# Altium PCB FIR_Wire.PcbDoc
Units mil, origin at the board's own origin, x right, y up, seen from the top; angles counter-clockwise.
Board outline 1952.76 x 2519.69 mil, 2 copper layers (Top Layer, Bottom Layer); 80 components, 60 nets, 234 pads, 47 vias.
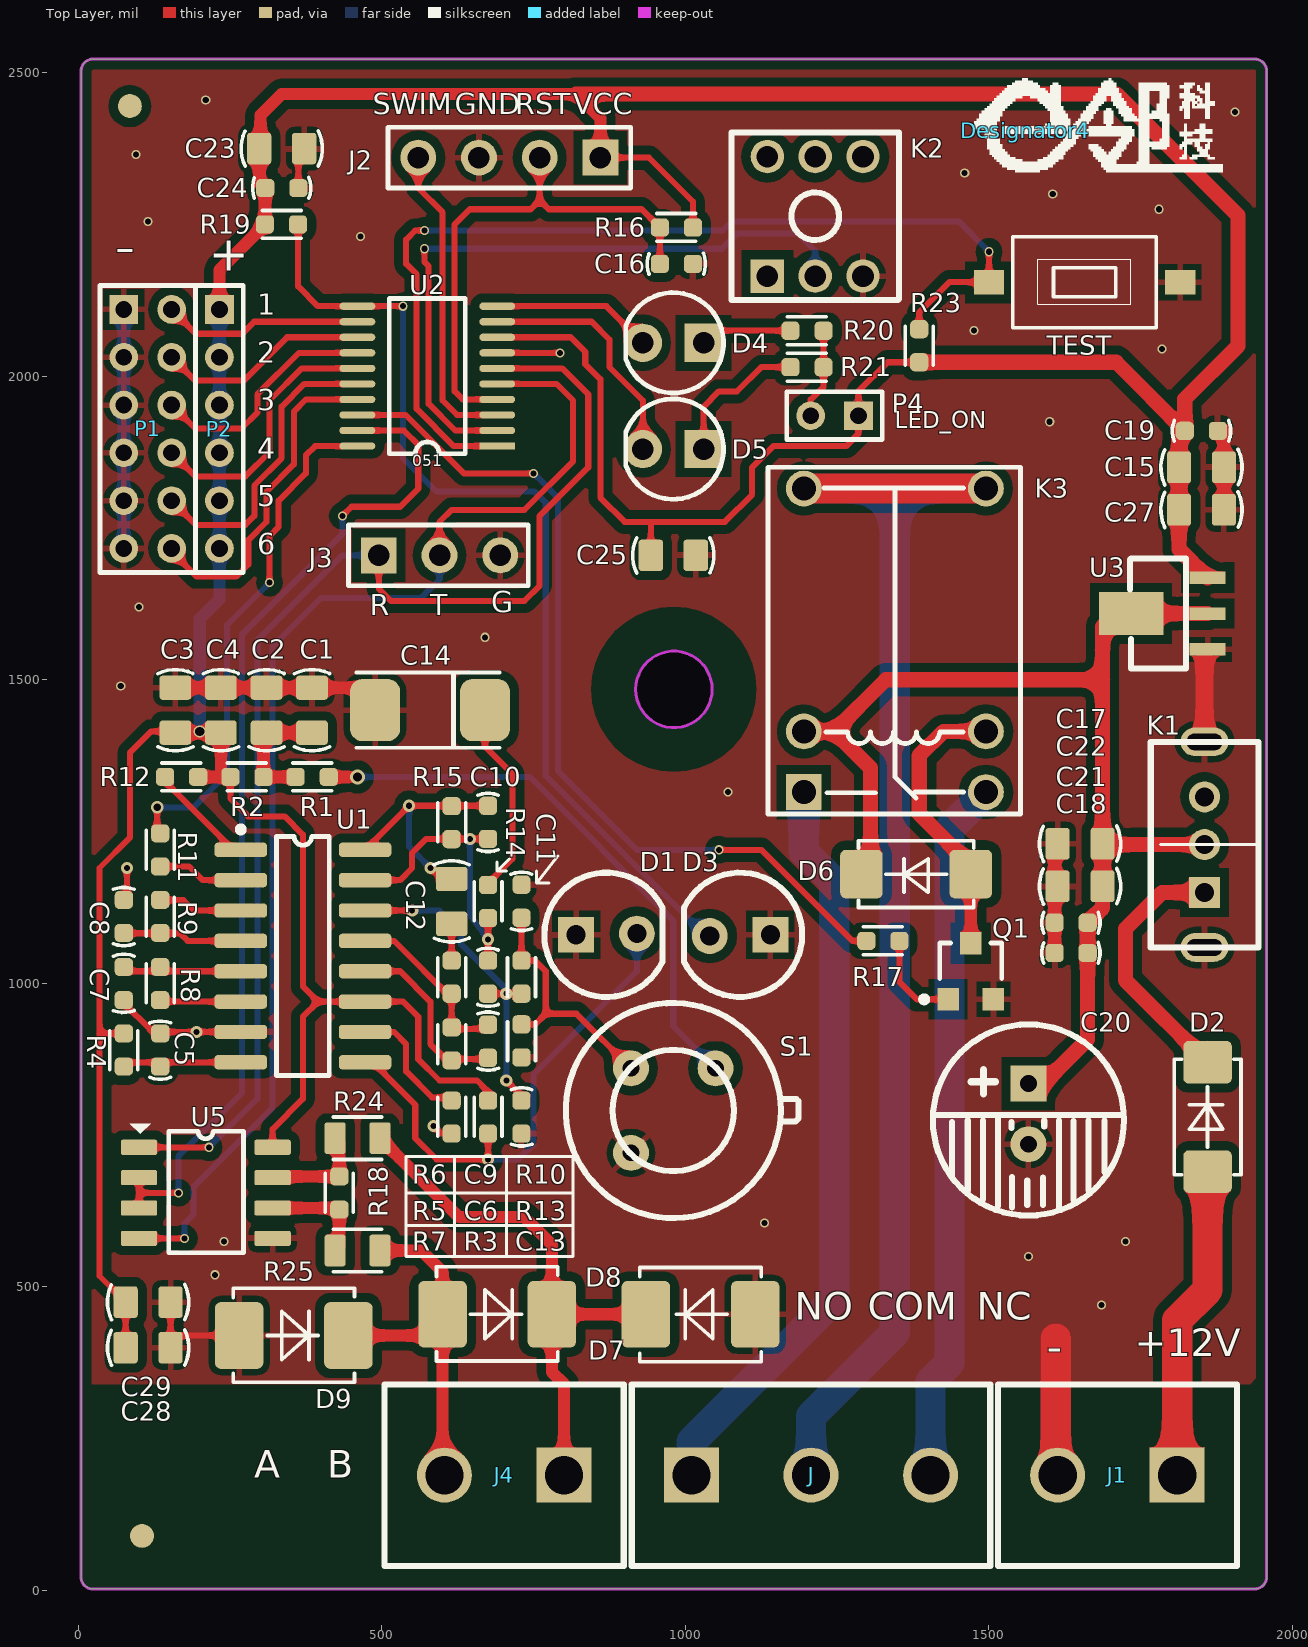
[diagram p0: Top Layer view]
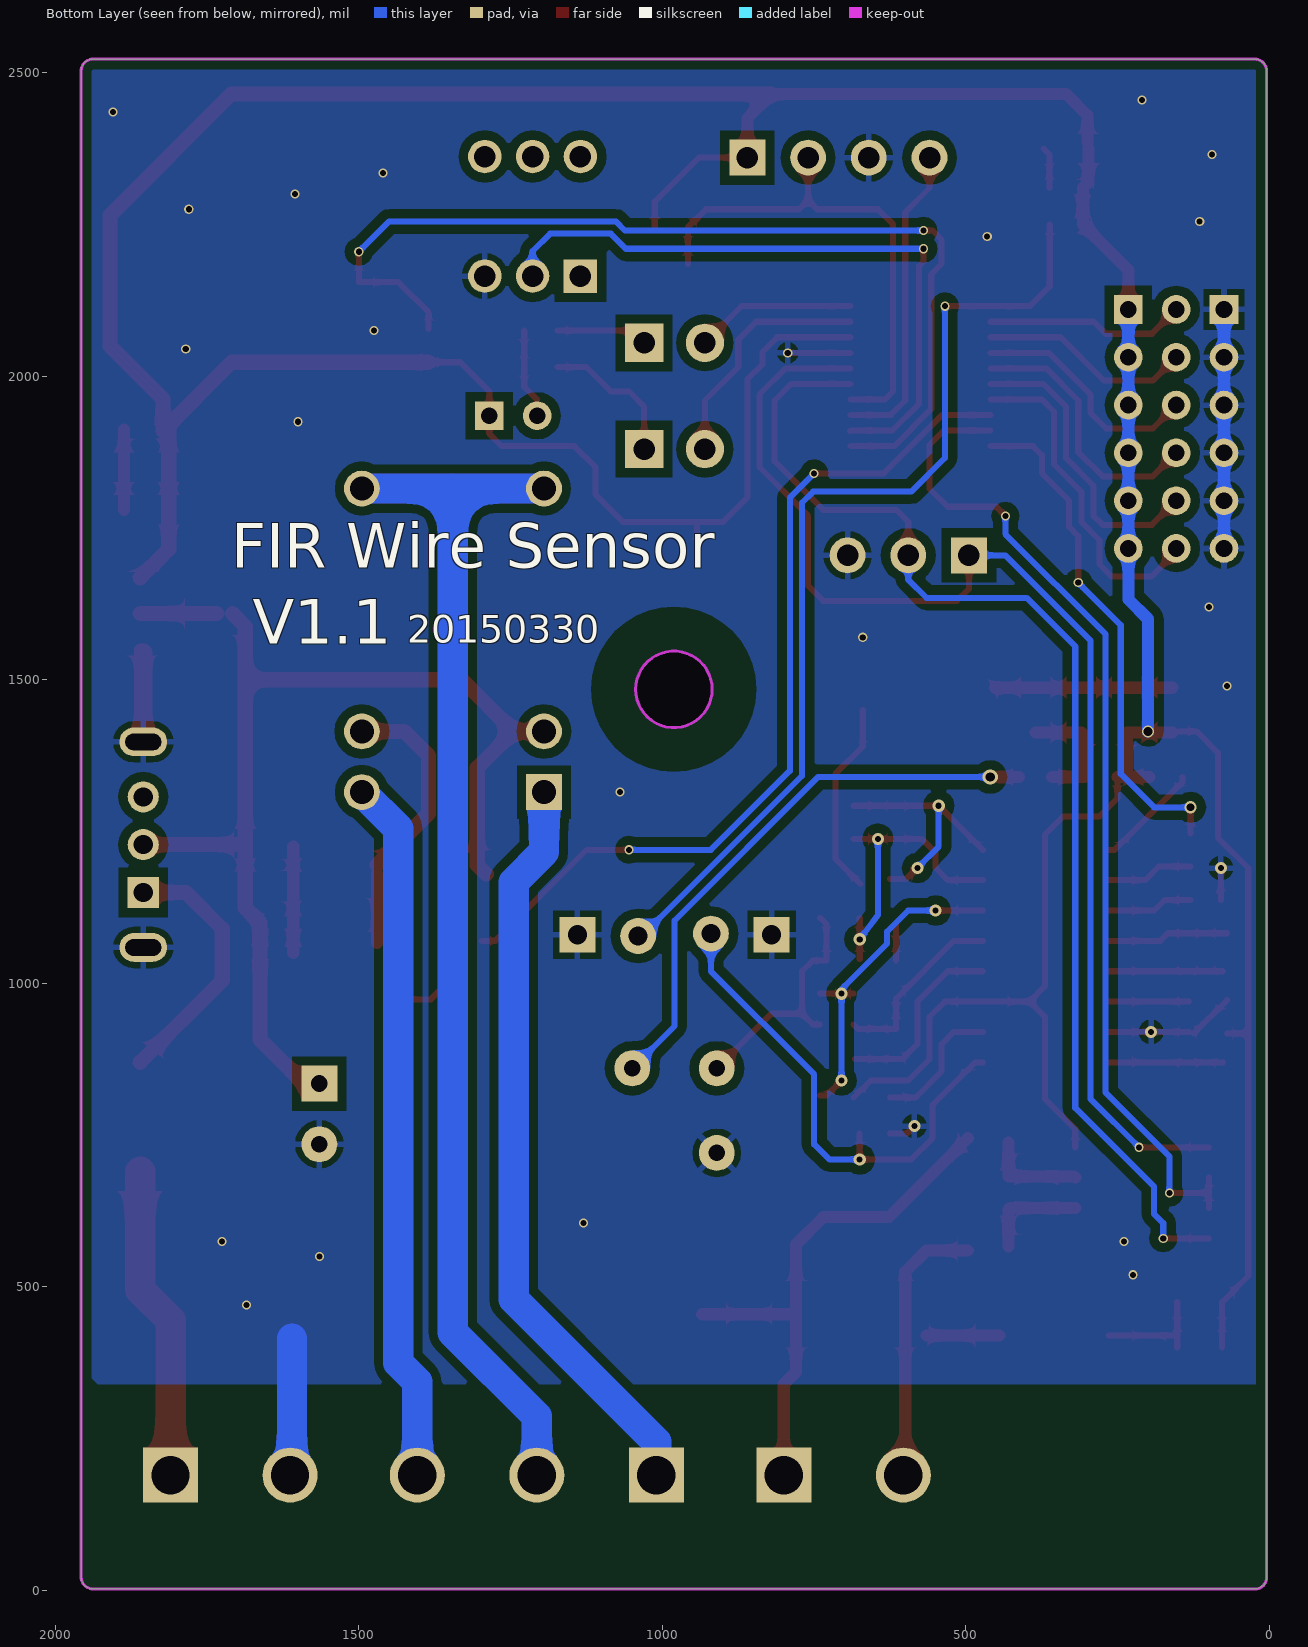
[diagram p1: Bottom Layer view, seen from below]

## Layer stack, top to bottom
Top Solder: solder mask 0.4, Solder Resist, Dk 3.5
Top Layer: signal copper 1.4
Dielectric 1: dielectric 12.6, FR-4, Dk 4.8
Bottom Layer: signal copper 1.4
Bottom Solder: solder mask 0.4, Solder Resist, Dk 3.5

## Board outline
4.65,22.32 4.65,2502.64 cw(c24.33,2502.64) 24.33,2522.33 1937.72,2522.33 cw(c1937.72,2502.64) 1957.4,2502.64 1957.4,22.32 cw(c1937.72,22.32) 1937.72,2.64 24.33,2.64 cw(c24.33,22.32)

## Design rules (kind name [scope] priority, off if disabled: settings)
Clearance [All] p1: gap=15
MinimumSolderMaskSliver [All] p1: minsoldermaskwidth=0
PlaneClearance [All] p1: clearance=10
PolygonConnect [All] p1: connectstyle=Relief reliefconductorwidth=10 reliefentries=4 polygonreliefangle="90 Angle" airgapwidth=10
RoutingVias [All] p1: holewidth=10 width=20 viastyle="Through Hole" minholewidth=8 minwidth=10 maxholewidth=30 maxwidth=50
SilkToSilkClearance [All] p1: silktosilkclearance=0
SilkToSolderMaskClearance [IsPad] p1: minsilkscreentomaskgap=0 clearancetoexposedcopper=TRUE
SolderMaskExpansion [All] p1: expansion=4
Width [All] p1: maxlimit=50 minlimit=10 preferedwidth=20
26 further rules are at their usual default settings.

## Classes and differential pairs
component class Sheet1: C1 C2 C3 C4 C5 C6 C7 C8 C9 C10 C11 C12 C13 C14 C15 C16 C17 C18 C19 C20 C21 C22 C23 C24 D1 D2 D3 D4 D5 J1 J2 J3 K1 K2 P1 P2 P4 R1 R2 R3 R4 R5 R6 R7 R8 R9 R10 R11 R12 R13 R14 R15 R16 R19 R20 R21 S1 TEST U1 U2 U3

## Components (designator, comment, footprint, x,y, rotation, side; value= is the part's Value field where it differs from the comment)
C1 "10uF" 0805-CAP 385,1450 r270 top
C2 "10uF" 0805-CAP 310,1450 r270 top
C3 "10uF" 0805-CAP 160,1450 r270 top
C4 "10uF" 0805-CAP 235,1450 r270 top
C5 "100nF" 0603-CAP 135,890 r90 top
C6 "100nF" 0603-CAP 675,905 r270 top
C7 "100nF" 0603-CAP 75,1000 r270 top
C8 "100nF" 0603-CAP 75,1110 r90 top
C9 "470P" 0603-CAP 675,1010 r90 top
C10 "10nF" 0603-CAP 675,1265 r90 top
C11 "100nF" 0603-CAP 730,1135 r90 top
C12 "10uF" 0805-CAP 615,1135 r90 top
C13 "100nF" 0603-CAP 730,780 r270 top
C14 "47uF" C6032 670,1450 r180 top
C15 "10uF" 0805-CAP 1850,1850 r180 top
C16 "100nF" 0603-CAP 985,2185 r0 top
C17 "10uF" 0805-CAP 1650,1230 r0 top
C18 "100nF" 0603-CAP 1635,1050 r0 top
C19 "100nF" 0603-CAP 1850,1910 r180 top
C20 "100uF" CAP2.54 1565,835 r270 top
C21 "100nF" 0603-CAP 1635,1100 r0 top
C22 "10uF" 0805-CAP 1650,1160 r0 top
C23 "10uF" 0805-CAP 335,2375 r180 top
C24 "100nF" 0603-CAP 335,2310 r0 top
C25 "10uF" 0805-CAP 980,1705 r180 top (schematic designator C23)
C27 "10uF" 0805-CAP 1850,1780 r0 top (schematic designator C25)
C28 "10uF" 0805-CAP 115,400 r0 top (schematic designator C25)
C29 "10uF" 0805-CAP 115,475 r0 top (schematic designator C25)
D1 "LED-R" LED_5mm 820,1080 r0 top
D2 "M7" DO-214AC(SMA) 1860,780 r90 top
D3 "LED-R" LED_5mm 1140,1080 r180 top
D4 "LED-R" DIO-LIG 1030,2055 r180 top locked
D5 "LED-G" DIO-LIG 1030,1880 r180 top locked
D6 "1N4007" DO-214AC(SMA) 1380,1180 r180 top
D7 "SMBJ6.0CA" DO-214AA(SMB) 1025,455 r180 top
D8 "SMBJ6.0CA" DO-214AA(SMB) 690,455 r0 top
D9 "SMBJ6.0CA" DO-214AA(SMB) 355,420 r0 top
Designator4 "Comment" elinlogo1 1560,2405 r0 top
J "Comment" WJ301V-3P 1010,190 r0 top
J1 "WJ301V-2P" WJ301V-2P 1810,190 r180 top
J2 "SIP4A-2.54" HDR1X4 860,2360 r180 top
J3 "SIP3A-2.54" HDR1x3 495,1705 r0 top
J4 "WJ301V-2P" WJ301V-2P 800,190 r180 top (schematic designator J1)
K1 "KEY3" SK12D07VG3 1855,1149.72 r90 top locked
K2 "BUTTON" BTN7*7 1135,2165 r90 top
K3 "HK4100F" HK4100F 1195,1315 r90 top
P1 "MHDR2X6" HDR2x6-2.00 75,2110 r0 top
P2 "MHDR1X6" HDR1x6-2.00 232.48,2110 r0 top
P4 "LED_ON" HDR1x2-2.00 1285,1935 r270 top
Q1 "8050" SOT-23 1470,1015 r0 top
R1 "10K" 0603-RES 385,1340 r0 top
R2 "10K" 0603-RES 277.5,1340 r0 top
R3 "20K" 0603-RES 675,780 r270 top
R4 "10K" 0603-RES 75,890 r90 top
R5 "1M" 0603-RES 615,900 r90 top
R6 "10K" 0603-RES 615,1010 r90 top
R7 "1M" 0603-RES 615,780 r270 top
R8 "220K" 0603-RES 135,1000 r270 top
R9 "27K" 0603-RES 135,1110 r90 top
R10 "10K" 0603-RES 730,1010 r90 top
R11 "1K" 0603-RES 135,1220 r270 top
R12 "47K" 0603-RES 170,1340 r0 top
R13 "47K" 0603-RES 730,905 r90 top
R14 "47K" 0603-RES 675,1135 r270 top
R15 "2M" 0603-RES 615,1265 r270 top
R16 "10K" 0603-RES 985,2245 r0 top
R17 "1K" 0603-RES 1325,1070 r0 top (schematic designator R6)
R18 "10K" 0603-RES 430,655 r270 top (schematic designator R16)
R19 "10K" 0603-RES 335,2250 r180 top
R20 "10K" 0603-RES 1200,2075 r0 top
R21 "10K" 0603-RES 1200,2015 r0 top
R23 "27K" 0603-RES 1385,2050 r90 top (schematic designator R18)
R24 "10K" 0805-RES 460,745 r0 top (schematic designator R16)
R25 "10K" 0805-RES 460,560 r0 top (schematic designator R16)
S1 "FIR-RE200B" TO-39 980,790.47 r45 top locked
TEST "KEY_M" KEY-SMD 1815,2155 r0 top (schematic designator TEST1)
U1 "BISS0001" SOP16 370,1045 r270 top
U2 "STM8L051" TSSOP20 690,1885 r180 top locked
U3 "7133" SOT-89 1860,1550 r90 top
U5 "SP3485" SOP-8 210,655 r0 top

## Footprints (in the part's own frame and the unit in brackets; to place one, negate y for a bottom-side part, rotate by r counter-clockwise, add the part's x,y. Pads: shape width x height; smd on the part's side, far side on the other; paste and mask are expansions set on the pad)
0603-CAP [mil]
  rrect50% 30x30 smd: 1(-27,0) 2(27.5,-0.06)
  silkscreen extent -48,-17 48,17
0603-RES [mil]
  rrect50% 30x30 smd: 1(-27,0) 2(27.5,-0.06)
  silkscreen extent -32,-23 32,23
0805-CAP [mil]
  rrect25% 40x52 smd: 1(-37,0) 2(37,0)
  silkscreen extent -67,-29 67,29, body extent -39,-24 39,23, height 47
0805-RES [mil]
  rrect25% 35x52 smd: 1(-37,0) 2(37,0)
  silkscreen extent -40,-35 40,35, body extent -39,-25 40,24, height 18
BTN7*7 [mm] "按键开关"
  rect 1.4x1.4 hole 0.9: 1(0,0)
  round 1.4 hole 0.9: 2(0,-2) 3(0,-4) 4(5,-4) 5(5,-2) 6(5,0)
  silkscreen extent -1,-5.5 6,1.5
C6032 [mm]
  rrect50% 2.1x2.6 smd: 1(0,0) 2(4.6,0)
  silkscreen extent -0.61,-1.57 5.39,1.57
CAP2.54 [mm]
  rect 1.5x1.5 hole 0.7: 1(0,0)
  round 1.5 hole 0.7: 2(2.54,0)
  silkscreen extent -2.48,-4 5.52,4
DIO-LIG [mm]
  rect 1.6x1.6 hole 0.9: 1(0,0)
  round 1.6 hole 0.9: 2(2.54,0)
  silkscreen extent -0.83,-2.1 3.26,2.1
DO-214AA(SMB) [mil]
  rrect25% 80x110 smd: 1(-90,0) 2(90,0)
  silkscreen extent -100,-77 100,78, body extent -110,-77 110,78, height 104
DO-214AC(SMA) [mil]
  rrect25% 70x80 smd: 1(-90,0) 2(90,0)
  silkscreen extent -95,-55 95,55, body extent -108,-55 108,55, height 91
elinlogo1 [mil]
  silkscreen extent -84,-68 325,86
HDR1x2-2.00 [mm]
  rect 1.2x1.2 hole 0.7 mask+0.102: 1(0,0)
  round 1.2 hole 0.7 mask+0.102: 2(0,-2)
  silkscreen extent -1,-3 1,1
HDR1x3 [mm]
  rect 1.5x1.5 hole 0.9: 1(0,0)
  round 1.5 hole 0.9: 2(2.54,0) 3(5.08,0)
  silkscreen extent -1.27,-1.27 6.25,1.27
HDR1X4 [mm]
  rect 1.5x1.5 hole 0.9: 1(0,0)
  round 1.5 hole 0.9: 2(2.54,0) 3(5.08,0) 4(7.62,0)
  silkscreen extent -1.27,-1.27 8.89,1.27
HDR1x6-2.00 [mm]
  rect 1.2x1.2 hole 0.7 mask+0.102: 1(0,0)
  round 1.2 hole 0.7 mask+0.102: 2(0,-2) 3(0,-4) 4(0,-6) 5(0,-8) 6(0,-10)
  silkscreen extent -1,-11 1,1
HDR2x6-2.00 [mm]
  rect 1.2x1.2 hole 0.7 mask+0.102: 1(0,0)
  round 1.2 hole 0.7 mask+0.102: 2(2,0) 3(0,-2) 4(2,-2) 5(0,-4) 6(2,-4) 7(0,-6) 8(2,-6) 9(0,-8) 10(2,-8) 11(0,-10) 12(2,-10)
  silkscreen extent -1,-11 3,1
HK4100F [mm] "继电器"
  rect 1.5x1.5 hole 1: 1(0,0)
  round 1.5 hole 1: 2(0,-7.62) 3(2.54,0) 4(2.54,-7.62) 5(12.7,0) 6(12.7,-7.62)
  silkscreen extent -0.91,-9.06 13.59,1.5
KEY-SMD [mil]
  rect 50x40 smd: 1(-0.13,-0.25) 2(-315.09,-0.25)
  silkscreen extent -276,-75 -39,75
LED_5mm [mm] "直插"
  rect 1.5x1.5 hole 0.8: 1(0,0)
  round 1.5 hole 0.8: 2(2.54,0.051)
  silkscreen extent -1.33,-2.6 3.62,2.6
SK12D07VG3 [mm] "拨动开关90度"
  oval 1.2x2 hole 0.7 slot 1.5 at 90 deg: 0(-2.3,0) 0(6.3,0)
  rect 1.3x1.3 hole 0.8: 1(0,0)
  round 1.3 hole 0.8: 2(2,0) 3(4,0)
  silkscreen extent -2.3,-2.25 6.3,2.25
SOP16 [mm]
  rrect50% 0.6x2.2 smd: 1(-4.445,-2.6) 2(-3.175,-2.6) 3(-1.905,-2.6) 4(-0.635,-2.6) 5(0.635,-2.6) 6(1.905,-2.6) 7(3.175,-2.6) 8(4.445,-2.6) 9(4.445,2.6) 10(3.175,2.6) 11(1.905,2.6) 12(0.635,2.6) 13(-0.635,2.6) 14(-1.905,2.6) 15(-3.175,2.6) 16(-4.445,2.6)
  silkscreen extent -5.42,-2.72 5,1.1
SOP-8 [mil]
  rrect25% 60x25 smd: 1(-110,75) 2(-110,25) 3(-110,-25) 4(-110,-75) 5(110,-75) 6(110,-25) 7(110,25) 8(110,75)
  silkscreen extent -125,-99 62,114, body extent -118,-98 118,99, height 69
SOT-23 [mm]
  rect 0.9x0.95 smd: 1(-0.95,-1.048) 2(0.95,-1.048) 3(0,1.302)
  silkscreen extent -2.07,-1.17 1.3,1.3
SOT-89 [mm]
  rect 0.52x1.5 smd: 1(0,0) 2(1.5,0) 3(3,0)
  rect 1.8x2.7 smd: 4(1.5,3.2)
  silkscreen extent -0.8,0.9 3.8,3.25
TO-39 [mm]
  round 1.5 hole 0.7: 1(2.5,0) 2(0,2.5) 3(-2.5,0)
  silkscreen extent -4.5,-4.5 4.5,4.5
TSSOP20 [mm]
  rect 1.5x0.3 smd: 1(0,0)
  round 0.5 on Top Overlay: 1(0.61,0.635)
  oval 1.5x0.3 smd: 2(0,-0.65) 3(0,-1.3) 4(0,-1.95) 5(0,-2.6) 6(0,-3.25) 7(0,-3.9) 8(0,-4.55) 9(0,-5.2) 10(0,-5.85) 11(5.85,-5.85) 12(5.85,-5.2) 13(5.85,-4.55) 14(5.85,-3.9) 15(5.85,-3.25) 16(5.85,-2.6) 17(5.85,-1.95) 18(5.85,-1.3) 19(5.85,-0.65) 20(5.85,0)
  silkscreen extent 1.33,-6.18 4.52,0.32
WJ301V-2P [mm] "5.00mm"
  rect 2.3x2.3 hole 1.6: 1(0,0)
  round 2.3 hole 1.6: 2(5,0)
  silkscreen extent -2.5,-3.8 7.5,3.8
WJ301V-3P [mm] "5.00mm"
  rect 2.3x2.3 hole 1.6: 1(0,0)
  round 2.3 hole 1.6: 2(5,0) 3(10,0)
  silkscreen extent -2.5,-3.8 12.5,3.8

## Part data
C1 C2 C3 C4 C15 C17 C18 C19 C21 C22 C23 C25 C27 C28 C29: library part C
C5 C6 C7 C8 C9 C10 C11 C12 C13 C14 C16 C20 C24: library part CAP
D1 D3 D4: library part LED-RED, "红色LED"
D2: library part 1N5819(SS14), "肖特基二极管"
D5: library part LED-GRE, "绿色LED"
D6: "二极管"
D7 D8 D9: "TVS"
J J1 J4: "接线端子"
J2: library part SIP4A-2.50(带槽)
J3: library part SIP3A-2.50（带槽）
K1: library part KEY-3, "开关"
K3: "继电器"
P1: "Header, 6-Pin, Dual row"
P2: "Header, 6-Pin"
P4: library part MHDR1X2, "Header, 2-Pin"
Q1: "三极管"
R1 R2 R3 R4 R5 R6 R7 R8 R9 R10 R11 R12 R13 R14 R15 R17: library part RES1
R16 R18 R19 R20 R21 R23 R24 R25: library part Res
S1: "红外探头"
TEST: "轻触按键"
U2: "单片机"
U3: "LDO"
U5: "485总线"

## Free pads (board coordinates)
  round 39.37 smd mask+39.37: 0(85,2445) 0(105,90)
  round 358.27 on Top Overlay: 0(980,790)
  round 0 hole 125.98: 0(981.02,1484.25)

## Via types
v1: diameter 15, hole 10, Top Layer to Bottom Layer, tented both sides, 33 vias
v2: diameter 20, hole 10, Top Layer to Bottom Layer, tented both sides, 11 vias
v3: diameter 20, hole 15, Top Layer to Bottom Layer, tented both sides, 1 vias
v4: diameter 20, hole 13, Top Layer to Bottom Layer, tented both sides, 1 vias
v5: diameter 25, hole 15, Top Layer to Bottom Layer, tented both sides, 1 vias

## Nets (pads, with @x,y where several pads share a name; then routed paths per layer and width w, separated by ;. In a path a pad name is that pad's centre, name@x,y a point inside that pad or via, vN(x,y) a via of type N, cw(c..) or ccw(c..) an arc to the next point about the centre after c; other vN are vias at no path point)
3.3V: C3.2 C4.2 C15.2 C19.2 C23.2 C24.1 C25.2 C27.1 C28.1 C29.1 J2.1 P2.1 P2.2 P2.3 P2.4 P2.5 P2.6 P4.1 R2.1 R3.1 R4.2 R12.2 R16.2 R19.2 R23.1 U1.11 U2.8 U3.3 U5.8 | length 7882.1
  Top Layer w10: 35,917.5 R4.2@70.06,917.5 ; C28.1 C29.1 35,518 35,1190 85,1240 85,1380 120,1415 C3.2@150,1415 ; R2.1 250.5,1304.5 280,1275 340,1275 370,1245 370,995 395,970 ; U5.8 320,760 370,810 370,945 395,970 ; R3.1@685,812 657,840 595,840 560,875 560,945 535,970 U1.11 395,970 ; U2.8 810.86,2064.14 835,2040 835,2020 860,1995 860,1800 900,1760 1065,1760 1110,1805 1110,1850 1145,1885 1265,1885 1285,1905 P4.1 1285,1975 1333,2023 R23.1 ; J2.1 940,2360 1012.5,2287.5 R16.2 ; C25.2 943,1758
  Top Layer w20: C3.2 C4.2 235,1344.94 ; R12.2 R2.1@250.44,1339.94 ; P2.1 232.48,2175.04 R19.2 307.5,2310.5 298,2320 C23.2 ; C23.2@300,2385 300,2430 335,2465 820,2465 860,2425 J2.1
  Top Layer w25: 820,2465 1710,2465 1910,2265 1910,2050 1822.5,1962.5 C19.2 1709.56,2023 R23.1 ; C19.2@1813,1910 C15.2 C27.1 1813,1715.11 U3.3
  Bottom Layer w20: v3(200,1415) 200,1600 232.48,1632.48 P2.6 P2.5 P2.4 P2.3 P2.2 P2.1
AD_IN17: D3.2 R19.1 U2.11 | length 1633.3
  Top Layer w10: R19.1 362,2148 394.68,2115.32 U2.11 v1(534.68,2115.32)
  Bottom Layer w10: v1(534.68,2115.32) 534.68,1865.32 590,1810 751.72,1810 770,1791.72 770,1341.72 1033.72,1078 D3.2
AD_IN18: 
COM: J.2 K3.5 K3.6 | length 2282.2
  Top Layer w50: K3.5 K3.6
  Bottom Layer w50: K3.5 1345,1815 ; J.2 1206.85,286.85 1345,425 1345,1815 ; K3.6 1345,1815
EN: R12.1 U1.1 | length 179
  Top Layer w10: R12.1 143,1332 255,1220 U1.1
GND: C1.1 C2.1 C3.1 C4.1 C5.2 C7.2 C8.2 C11.2 C13.2 C14.2 C15.1 C16.2 C17.1 C18.1 C19.1 C20.2 C21.1 C22.1 C23.1 C24.2 C25.1 C27.2 C28.2 C29.2 D1.1 D3.1 D7.1 D9.1 J1.2 J2.3 J3.3 K1.0 K2.3 P1.1 P1.3 P1.5 P1.7 P1.9 P1.11 Q1.2 R7.2 R13.1 S1.3 TEST.1 U1.7 U2.7 U3.1 U5.5 | length 2262.9
  Top Layer w10: C7.2@69.94,972.5 C5.2@124.94,917.5 ; C8.2@80.06,1137.5 v2(80.06,1189.94) ; C5.2@132.56,920 U1.7 ; C28.2 C29.2 ; C28.2@157,420 D9.1 ; C24.2 362.5,2365.5 C23.1 ; v2(585,765) 597.5,752.5 R7.2@624.94,752.5 ; U2.7 v1(793.54,2038.54)
  Top Layer w20: C3.1 C4.1 C2.1 C1.1 C14.2@451.9,1487 ; C18.1 C21.1 C17.1@1608,1225 ; U3.1@1855,1545 U3.1 ; C27.2 C15.1 C19.1@1887,1912
  Top Layer w30: K1.0@1855,1397.76 U3.1@1855,1545
  Top Layer w50: J1.2@1610,190 1610,415
  Bottom Layer w20: P1.11 P1.9 P1.7 P1.5 P1.3 P1.1
  Bottom Layer w50: J1.2@1610,190 1610,415
  other v1: 1685,470 225,520 1565,550 240,575 1725,575 1130,605 1070,1315 70,1490 670,1570 100,1620 1600,1925 1785,2045 1475,2075 465,2230 115,2255 1780,2275 1605,2300 1460,2335 95,2365 1905,2435 210,2455
  other v2: 195,920
NetANT1_1: 
NetC1_2: C1.2 C2.2 R1.1 R2.2 | length 196
  Top Layer w20: C2.2@305.06,1408.06 305.06,1340 R1.1 ; C2.2 C1.2
NetC5_1: C5.1 R4.1 U1.8 | length 190.6
  Top Layer w10: R4.1@77,870 U1.8
NetC6_1: C6.1 R5.2 R6.1 U1.13 | length 304.9
  Top Layer w10: U1.13 520,1070 615,975 615,925 678,925 C6.1@685,932
NetC6_2: C6.2 R5.1 U1.12 | length 311.3
  Top Layer w10: U1.12 530,1020 580,970 580,900 604.75,875.25 C6.2@682.69,875.25
NetC7_1: C7.1 R8.1 U1.5 | length 190.6
  Top Layer w10: C7.1@77,1020 U1.5
NetC8_1: C8.1 R9.1 U1.4 | length 202.8
  Top Layer w10: C8.1@70,1082.5 167.5,1082.5 180,1070 U1.4
NetC9_1: C9.1 C13.1 R10.1 U1.14 | length 548.6
  Top Layer w10: U1.14 v2(550,1120) ; C9.1@685,983 R10.1@740,983 ; v2(705,840) 730,815 C13.1@740,815
  Bottom Layer w10: v2(550,1120) 595,1120 630,1085 630,1065.5 705,990.5 v2(705,840)
  other v2: 705,983
NetC9_2: C9.2 C10.1 R14.2 R15.2 U1.15 | length 498.4
  Top Layer w10: U1.15 530,1170 550,1190 550,1215 573,1238 C10.1@685,1238 ; C9.2@674.94,1040 R14.2
  Bottom Layer w10: v2(645,1238) 645,1112.5 v2(674.94,1072.56)
NetC10_2: C10.2 C12.2 R15.1 U1.16 | length 412.2
  Top Layer w10: U1.16 v2(544.86,1292.5) C10.2@685.06,1292.5 ; v2(580,1190) 598,1172 C12.2@625,1172
  Bottom Layer w10: v2(544.86,1292.5) 544.86,1225.14 v2(580,1190)
NetC11_1: C11.1 R10.2 R13.2 S1.2 | length 406.7
  Top Layer w10: C11.1@740,1108 730,1098 730,1037.5 752.5,1037.5 770,1020 770,950 ; R13.2@740.06,932.5 752.5,932.5 770,950 ; S1.2 820.47,950 770,950
NetC12_1: C12.1 R6.2 | length 60.4
  Top Layer w10: R6.2@615,1037.56 C12.1
NetC14_1: C14.1 R14.1 | length 322.3
  Top Layer w10: C14.1 670,1390 715,1345 715,1205 R14.1@673.5,1163.5
NetC15_1: 
NetD1_2: D1.2 R3.2 U1.9 | length 846.3
  Top Layer w10: U1.9 485,870 555,800 555,745 590,710 v2(675,710) R3.2@675,752.44
  Bottom Layer w10: v2(675,710) 725,710 750,735 750,850 920,1020 D1.2
NetD2_1: D2.1 J1.1 | length 515.7
  Top Layer w50: J1.1@1810,195 1810,445 1860,495 D2.1
NetD2_2: D2.2 K1.1 | length 430.7
  Top Layer w25: K1.1 1784.72,1149.72 1725,1090 1725,1005 D2.2
NetD4_1: D4.1 R20.1 | length 151.3
  Top Layer w10: D4.1 1050,2075 R20.1
NetD5_1: D5.1 R21.1 | length 239.9
  Top Layer w10: D5.1 1030,1950 1055,1975 1085,1975 1125,2015 R21.1
NetNC: J.3 K3.2 | length 1162.8
  Bottom Layer w50: J.3 1403.7,343.7 1435,375 1435,1255 K3.2
NetNO: J.1 K3.1 | length 1243.1
  Bottom Layer w50: J.1 1010,245 1245,480 1245,1166.57 1195,1216.57 K3.1
NetP4_2: P4.2 R20.2 R21.2 | length 148.7
  Top Layer w10: P4.2 1206.26,1961.26 1227.5,1982.5 R21.2 R20.2
NetQ1_1: Q1.1 R17.2 | length 159.4
  Top Layer w10: R17.2 1352.5,1002.5 1381.26,973.74 Q1.1
NetQ1_2: 
NetQ1_3: D6.1 K3.4 Q1.3 | length 455.5
  Top Layer w20: Q1.3 D6.1
  Top Layer w25: D6.1@1470,1195 1385,1280 1385,1375 1425,1415 K3.4
NetR1_2: R1.2 S1.1 | length 937.6
  Top Layer w20: R1.2@412.56,1340 v5(460,1340)
  Bottom Layer w10: v5(460,1340) 743.43,1340 980,1103.43 980,929.67 S1.1
NetR7_1: R7.1 U1.10 | length 223.7
  Top Layer w10: U1.10 520,920 540,900 540,855 583,812 R7.1@625,812
NetR8_2: R8.2 U1.6 | length 135.2
  Top Layer w10: R8.2@132.44,970 U1.6
NetR9_2: R9.2 U1.3 | length 144.6
  Top Layer w10: R9.2@130.06,1137 173,1137 190,1120 U1.3
NetR11_2: R11.2 U1.2 | length 147
  Top Layer w10: R11.2@129.94,1192.5 182.5,1192.5 205,1170 U1.2
NetR22_1: 
NetU5_6: R18.2 R25.1 U5.6 | length 171.5
  Top Layer w20: U5.6 427.44,630 R18.2 R25.1@429.94,566.94
NetU5_7: R18.1 R24.1 U5.7 | length 166.8
  Top Layer w20: U5.7 322,682 R18.1 R24.1@430,738
NRST: C16.1 J2.2 R16.1 U2.4 | length 853.7
  Top Layer w10: U2.4 633.23,1961.77 620,1975 620,2250 645,2275 745,2275 760,2290 ; J2.2 760,2290 ; C16.1 R16.1 928,2275 775,2275 760,2290
PA0: J2.4 U2.3 | length 516.4
  Top Layer w10: J2.4 560,2310 600,2270 600,1960 623.82,1936.18 U2.3
PA2_USART_TX: J3.2 U2.5 U5.4 | length 2023.4
  Top Layer w10: U5.4 v1(175,580) ; J3.2 595,1760 615,1780 735,1780 815,1860 815,1960 787.64,1987.36 U2.5
  Bottom Layer w10: v1(175,580) 175,605 190,620 190,665 320,795 320,1555 400,1635 565,1635 595,1665 J3.2
PA3_USART_RX: J3.1 U2.6 U5.1 | length 2095.7
  Top Layer w10: U5.1 v1(215,730) ; J3.1 495,1650 515,1630 735,1630 760,1655 760,1770 840,1850 840,1970 797.05,2012.95 U2.6
  Bottom Layer w10: v1(215,730) 295,810 295,1565 435,1705 J3.1
PB0: D4.2 U2.10 | length 265
  Top Layer w10: U2.10 869.68,2115.32 D4.2
PB2: P1.2 U2.12 | length 330.7
  Top Layer w10: P1.2 193.74,2070 270,2070 289.72,2089.72 U2.12
PB3: P1.4 U2.13 | length 351.6
  Top Layer w10: P1.4 192.36,1992.64 272.64,1992.64 344.13,2064.14 U2.13
PB4: P1.6 U2.14 | length 391.1
  Top Layer w10: P1.6 192.36,1913.9 268.9,1913.9 295,1940 295,1970 363.54,2038.54 U2.14
PB5: P1.8 U2.15 | length 445.5
  Top Layer w10: P1.8 192.52,1835 275,1835 315,1875 315,1960 367.95,2012.95 U2.15
PB6: P1.10 U2.16 | length 497.9
  Top Layer w10: P1.10 193.78,1755 275,1755 290,1770 290,1820 335,1865 335,1950 372.36,1987.36 U2.16
PB7: P1.12 U2.17 | length 535
  Top Layer w10: P1.12@162.5,1702.5 195,1670 260,1670 280,1690 280,1730 310,1760 310,1810 355,1855 355,1941.72 375.06,1961.77 U2.17
PC0: R17.1 U2.18 | length 1460.7
  Top Layer w10: U2.18 538.97,1936.18 635.15,1840 v1(750,1840) ; v1(1055,1220) 1125,1220 1275,1070 R17.1
  Bottom Layer w10: v1(750,1840) 790,1800 790,1350 920,1220 v1(1055,1220)
PC1: U2.19 U5.2 U5.3 | length 1667.5
  Top Layer w10: U5.3 100,655 ; U5.2 100,655 ; v1(165,655) 100,655 ; v1(435,1770) 450,1785 530,1785 560,1815 560,1886.86 536.27,1910.59 U2.19
  Bottom Layer w10: v1(165,655) 165,715 270,820 270,1575 435,1740 v1(435,1770)
PC4: R11.1 U2.20 | length 850.5
  Top Layer w10: R11.1@130,1247 v4(130,1290) ; v1(315,1660) 315,1736.72 330,1751.72 330,1795 375,1840 375,1870 390,1885 U2.20
  Bottom Layer w10: v4(130,1290) 190,1290 245,1345 245,1590 v1(315,1660)
PC5: R23.2 TEST.2 U2.1@690,1885 | length 1650.5
  Top Layer w10: v1(570,2240) 555,2240 540,2225 540,2185 557.18,2167.82 557.18,1946.25 618.43,1885 U2.1@690,1885 ; R23.2 1385.06,2105.06 1434.84,2154.84 1500,2154.84 v1(1500,2205)
  Bottom Layer w10: v1(570,2240) 1061.72,2240 1076.72,2255 1450,2255 v1(1500,2205)
PC6: K2.2 U2.2 | length 1097.6
  Top Layer w10: v1(570,2210) 570,2188.28 577.18,2181.1 577.18,1954.53 621.12,1910.59 U2.2 U2.2@690.59,1910
  Bottom Layer w10: v1(570,2210) 1060,2210 1085,2235 1185,2235 1213.74,2206.26 K2.2
PD0: D5.2 U2.9 | length 400.3
  Top Layer w10: U2.9 845.59,2089.72 875,2060.32 875,2015 930,1960 D5.2
RS485_A: D8.1 D9.2 J4.2 R25.2 | length 569.3
  Top Layer w20: D9.2 D8.1@565,420 ; R25.2 565,560 600,525 D8.1 J4.2@600,193.15
RS485_B: D7.2 D8.2 J4.1 R24.2 | length 898.8
  Top Layer w20: R24.2 627,615 735,615 780,570 D8.2 ; J4.1 800,340 780,360 D8.2 ; D7.2 D8.2
RS485_RE: 
VIN: C17.2 C18.2 C20.1 C21.2 C22.2 D6.2 K1.2 K3.3 U3.2 U3.4 | length 1932.8
  Top Layer w25: K3.3 1245,1415 ; D6.2 1305,1195 1305,1355 1245,1415 ; C20.1 1590,835 1662.5,907.5 C18.2 C21.2 1687,1124.44 C22.2 1687,1226.93 1688.54,1228.46 K1.2 ; C17.2 1687,1500 ; U3.4@1708.05,1609.05 1687,1588 1687,1500 ; U3.4 U3.2 ; 1245,1415 1330,1500 1687,1500
pads on no net: K1.3 K2.1 K2.4 K2.5 K2.6 U2.1@666,1860

## Polygon pours and split planes (outlines as drawn)
GND on Top Layer "Top layer" (solid, remove dead copper, pour order 2): 0,2525 1960,2525 1960,370 1930,340 1475,340 10,340 0,350
GND on Bottom Layer "Top layer" (solid, remove dead copper, pour order 2): 0,2525 1960,2525 1960,370 1930,340 1475,340 10,340 0,350

## Keep-outs
Keep-Out Layer:
  circle w5: c981.02,1484.25 r62.99
  lines w5: 24.04,2.26 cw(c24.04,21.66) 4.65,21.66 4.65,2502.64 cw(c24.33,2502.64) 24.33,2522.33 1937.72,2522.33 cw(c1937.72,2502.64) 1957.4,2502.64 1957.4,22.32 cw(c1937.72,22.32) 1937.72,2.64 24.04,2.64

## Silkscreen, mask and mechanical layers (free items; w line width, h text height)
Top Overlay:
  lines w4.92: 540,655 815,655 ; 540.28,601.21 815,601.21 ; 620,550 620,715 ; 690,1200 690,1185 ; 705,550 705,715 ; 705,1185 690,1185 ; 710,1205 690,1185 ; 755,1185 755,1165 ; 775,1165 755,1165 ; 790,1210 755,1165 ; 540,550 540,715 815,715 815,550 540,550
  lines w5: 1782.52,1228.46 1940,1228.46
  text "SWIM" at 485,2420 h59.06
  text "GND" at 620,2420 h59.06
  text "RST" at 720,2420 h59.06
  text "VCC" at 815,2420 h59.06
  text "-" at 60,2160 h118.11
  text "+" at 215,2155 h98.43
  text "1" at 295,2090 h59.06
  text "2" at 294.95,2010.87 h59.06
  text "3" at 295,1932.39 h59.06
  text "LED_ON" at 1345,1905 h47.24
  text "4" at 295,1852.61 h59.06
  text "051" at 550,1845 h31.5
  text "5" at 295,1774.13 h59.06
  text "6" at 295,1695 h59.06
  text "G" at 680,1600 h59.06
  text "R" at 480,1595 h59.06
  text "T" at 580,1595 h59.06
  text "NO" at 1180,430 h78.74
  text "COM" at 1300,430 h78.74
  text "NC" at 1480,430 h78.74
  text "+12V" at 1740,370 h78.74
  text "-" at 1595,360 h90
  text "A" at 290,170 h78.74
  text "B" at 410,170 h78.74
Bottom Overlay:
  text "FIR Wire Sensor" at 1710,1660 h125.98
  text "20150330" at 1420,1545 h78.74
  text "V1.1" at 1675,1535 h125.98